# KiCad board klor1_4_LP_KS33.kicad_pcb
title: Klor LP KS33 Split Keyboard; date: 2024-08-27; rev: v1.4.0 LP KS33; note: Author: ElectronLab
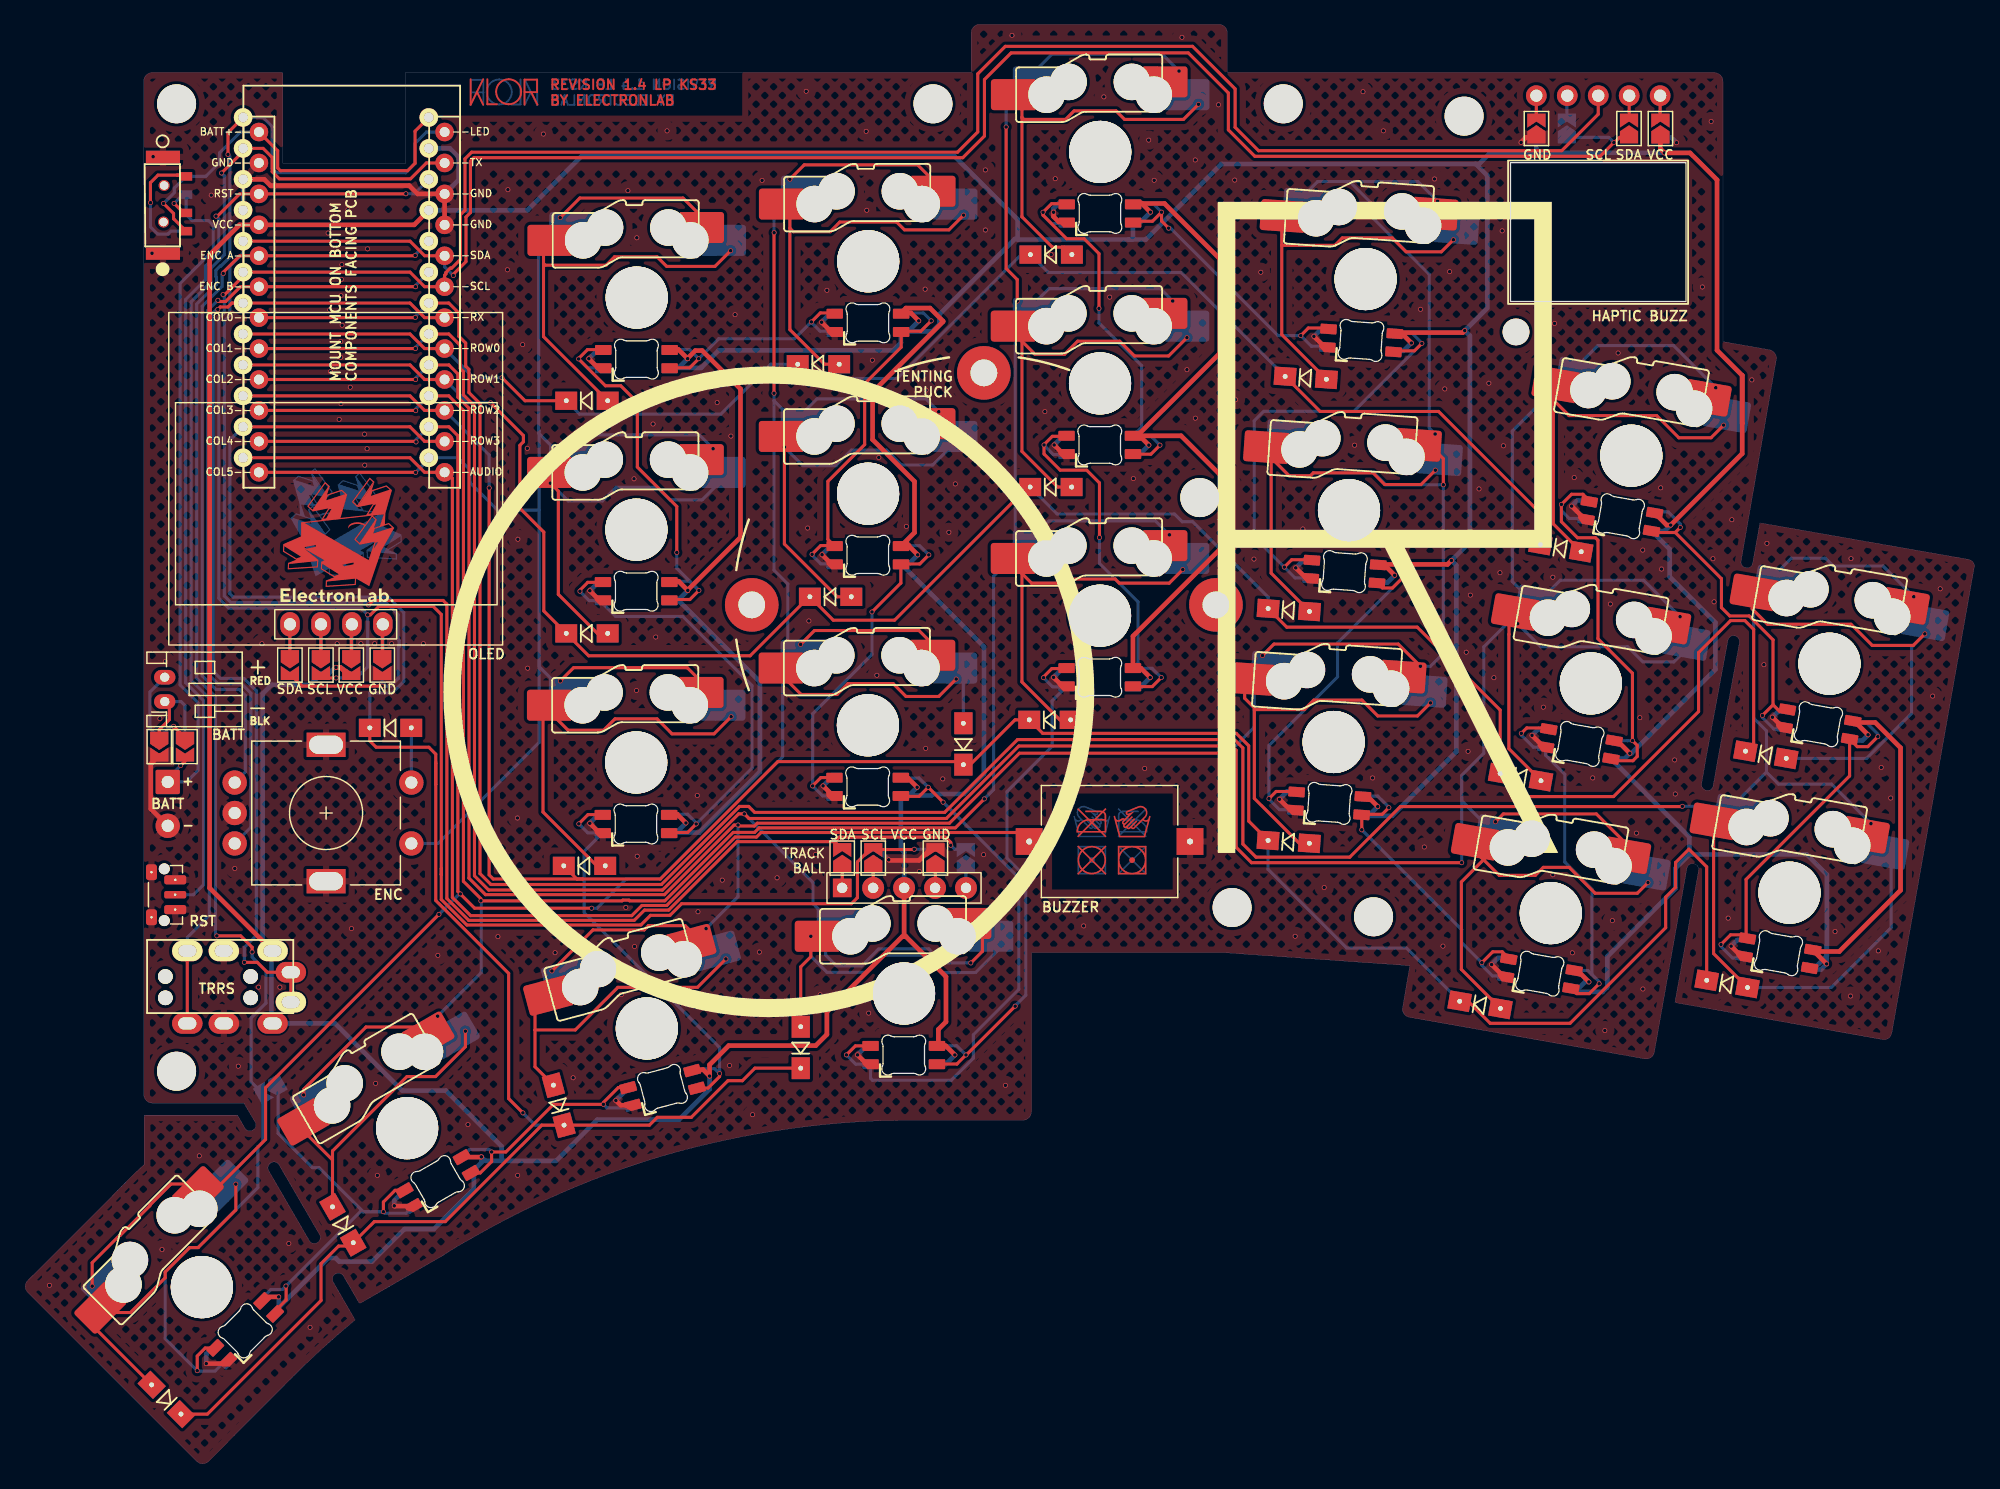
[diagram p0: board, top side]
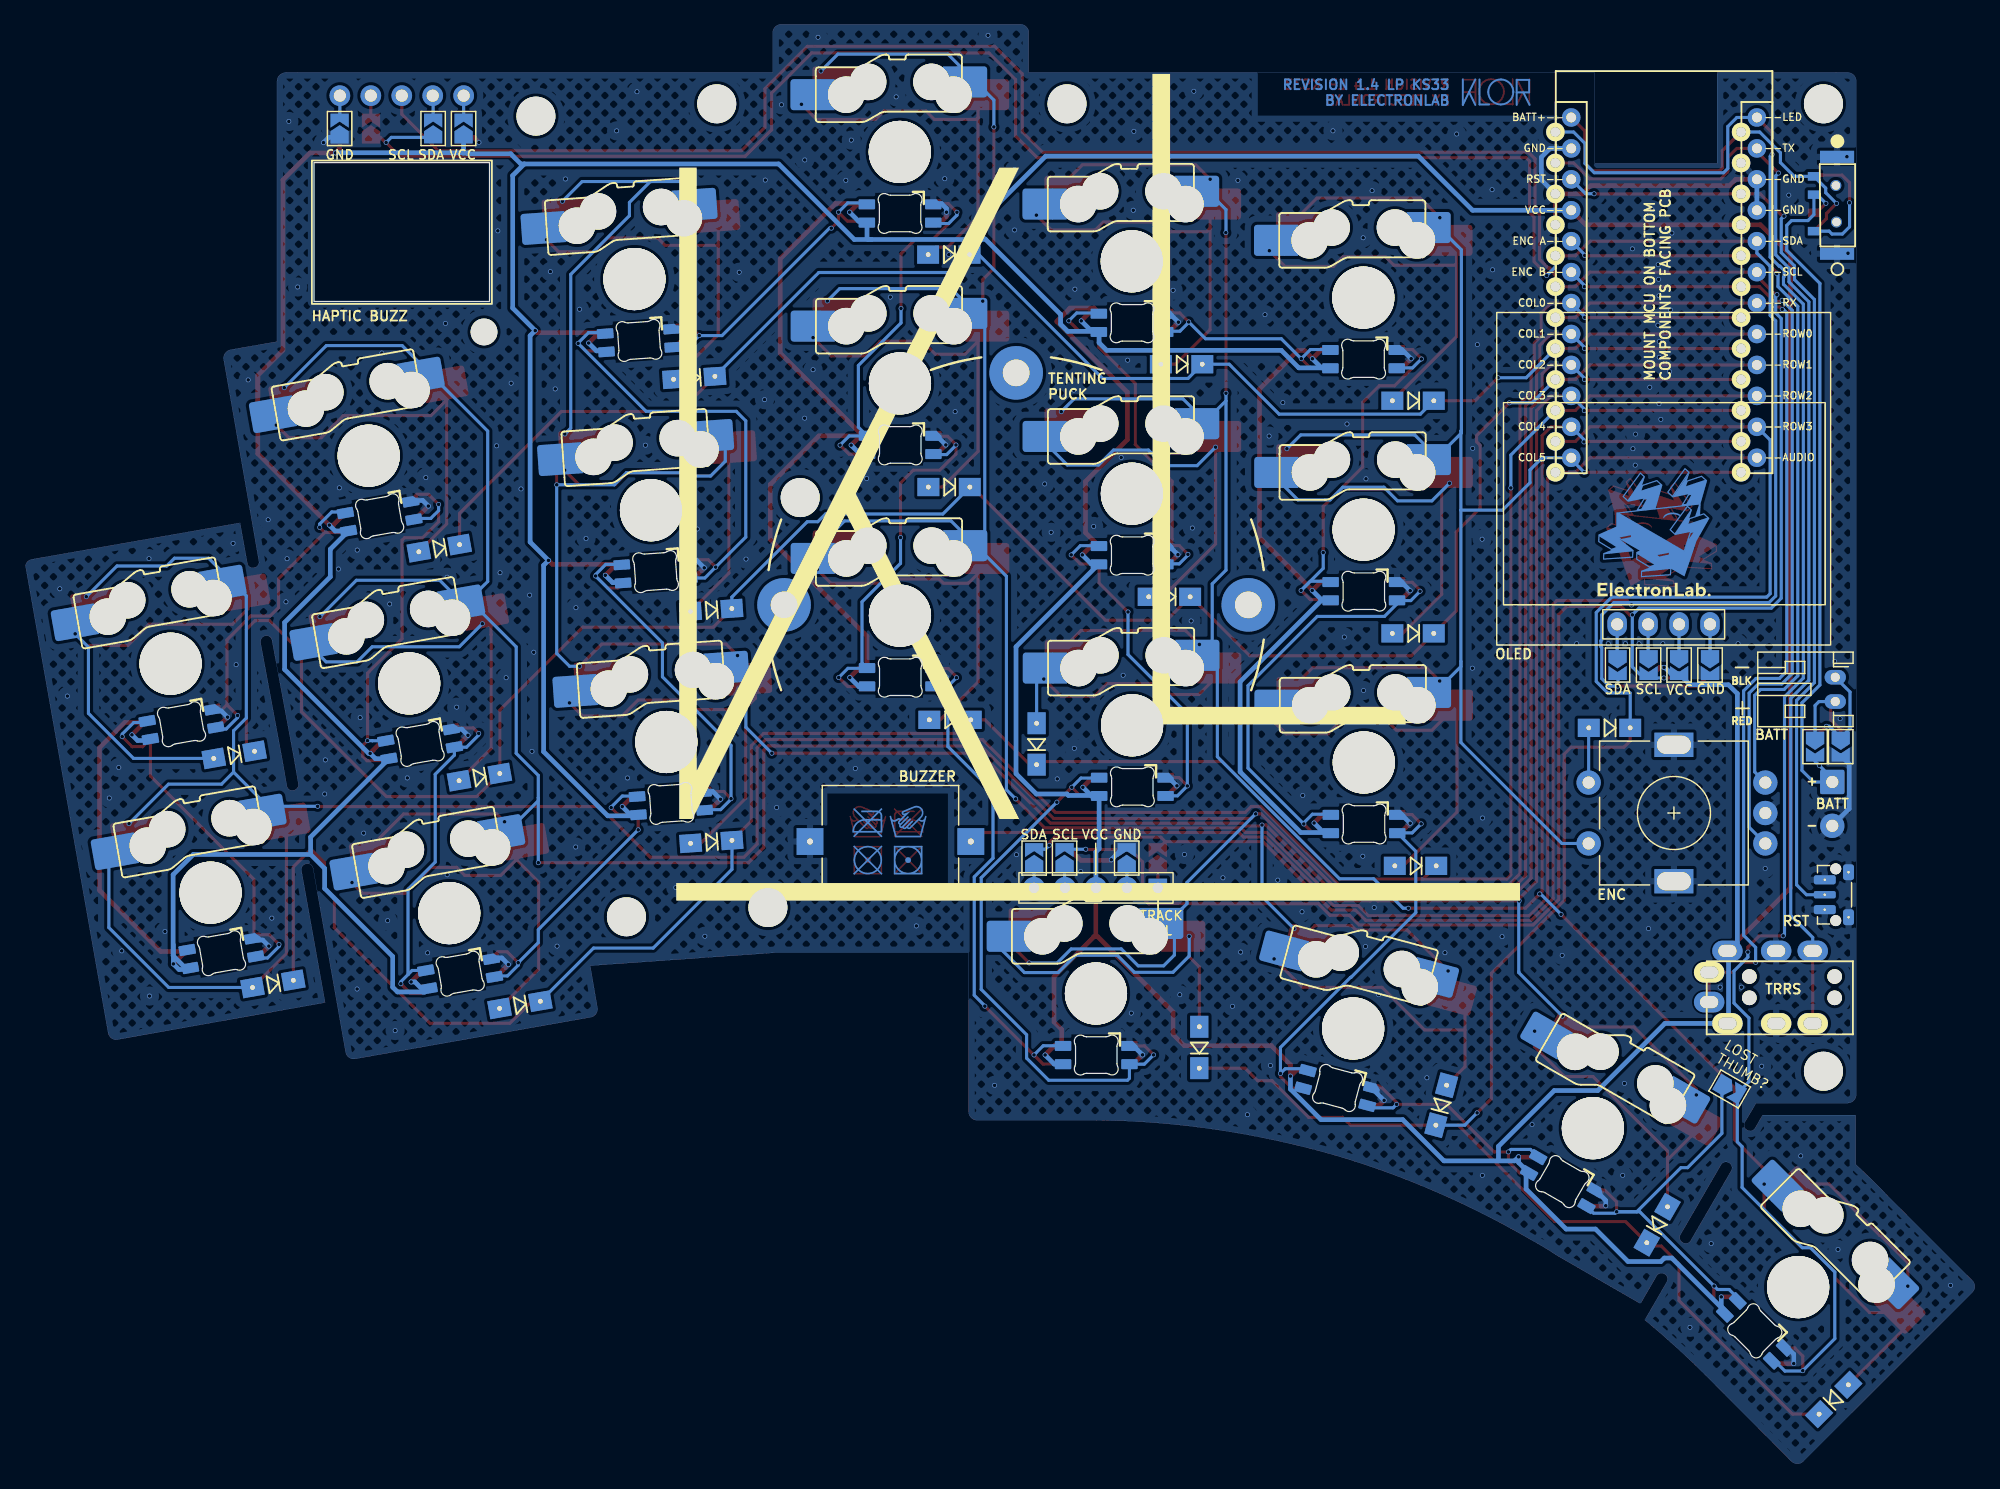
[diagram p1: board, bottom side, seen from below]

Outline 160.15 x 118.26 mm; copper layers: Top, Bottom. Coordinates in mm from the lower left corner of the outline.
Outline path: rectangle 121.97,106.9 136.37,95.5 ; 0.28,14.14 14.14,0.28 ; 7.16,22 0.28,15.13 ; 9.8,113.6 9.8,30.39 ; 9.84,24.65 9.84,28.7 17.49,28.7 18.09,27.64 ; 10.51,29.69 18.02,29.69 18.93,28.14 ; 10.54,114.31 21.22,114.31 21.22,106.83 31.27,106.83 31.27,114.31 77.71,114.31 77.71,117.59 ; 15.13,0.28 21.97,7.16 ; 20.91,24.61 24.22,18.9 ; 23.38,18.41 20.06,24.12 ; 27.15,11.88 25.35,14.98 ; 27.57,13.26 34.34,17.17 ; 72.14,28.28 81.94,28.28 ; 82.65,28.98 82.65,42.03 98.62,42.03 113.71,40.97 113.11,37.48 ; 98.05,118.26 78.38,118.26 ; 98.72,117.59 98.72,114.31 138.67,114.31 ; 113.64,36.74 133,33.32 ; 133.77,33.85 136.44,48.95 ; 152.49,34.91 135.46,37.94 137.41,48.77 ; 137.66,55.93 138.01,57.98 139.81,67.67 ; 138.61,55.75 138.96,57.8 140.76,67.49 ; 139.41,113.57 139.41,92.2 143.26,91.53 ; 140.9,74.21 143.19,87.34 143.78,90.76 ; 141.85,74.03 142.45,77.32 159.55,74.33 ; 153.27,35.47 160,73.55
Stack: Top 0.035mm / dielectric 1.51mm FR4 er 4.5 / Bottom 0.035mm

## Placement (name value [footprint] x y rotation side)
BT1  JST Connector  [JST_PH_reversible]  11.52 62.65 90 top
BT2  Battery_Cell  [custombatteryconnector_small]  11.77 54.25 270 top
BZ1  Buzzer  [Buzzer_Mallory_AST1109MLTRQ_reversible]  89.07 51.16 0 top
D1  D_Small  [Diode_SOD123]  46.17 87.35 0 top
D2  D_Small  [Diode_SOD123]  65.17 90.35 0 top
D3  D_Small  [Diode_SOD123]  84.27 99.35 0 top
D4  D_Small  [Diode_SOD123]  105.17 89.23 356 top
D5  D_Small  [Diode_SOD123]  126.1 75.25 350 top
D6  D_Small  [Diode_SOD123]  46.17 68.25 0 top
D7  D_Small  [Diode_SOD123]  66.17 71.26 0 top
D8  D_Small  [Diode_SOD123]  84.25 80.27 0 top
D9  D_Small  [Diode_SOD123]  103.78 70.17 356 top
D10  D_Small  [Diode_SOD123]  122.8 56.45 350 top
D11  D_Small  [Diode_SOD123]  142.93 58.28 350 top
D12  D_Small  [Diode_SOD123]  45.97 49.16 0 top
D13  D_Small  [Diode_SOD123]  77.07 59.17 90 top
D14  D_Small  [Diode_SOD123]  84.17 61.15 0 top
D15  D_Small  [Diode_SOD123]  103.77 51.13 356 top
D16  D_Small  [Diode_SOD123]  119.47 37.75 350 top
D17  D_Small  [Diode_SOD123]  139.75 39.47 350 top
D18  D_Small  [Diode_SOD123]  30.05 60.49 0 top
D19  D_Small  [Diode_SOD123]  11.65 5.35 135 top
D20  D_Small  [Diode_SOD123]  26.14 19.69 120 top
D21  D_Small  [Diode_SOD123]  43.86 29.51 105 top
D22  D_Small  [Diode_SOD123]  63.72 34.25 90 top
J1  -  [MJ-4PP-9]  10.07 40.08 90 top
J2  Haptic Buzz  [Pimoroni Haptic Buzz DRV2605L Driver]  129.17 102 0 bottom
J3  lv27  [lvc27_onlyInput]  67.12 47.35 90 top
JP1  Device_Jumper_NO_Small  [SolderJumper-2_P1.3mm_Open_TrianglePad1.0x1.5mm]  29.38 65.65 270 top
JP2  Device_Jumper_NO_Small  [SolderJumper-2_P1.3mm_Open_TrianglePad1.0x1.5mm]  26.83 65.65 270 top
JP3  Device_Jumper_NO_Small  [SolderJumper-2_P1.3mm_Open_TrianglePad1.0x1.5mm]  24.34 65.65 270 top
JP4  Device_Jumper_NO_Small  [SolderJumper-2_P1.3mm_Open_TrianglePad1.0x1.5mm]  21.79 65.65 270 top
JP5  Device_Jumper_NO_Small  [SolderJumper-2_P1.3mm_Open_TrianglePad1.0x1.5mm]  29.38 65.65 270 bottom
JP6  Device_Jumper_NO_Small  [SolderJumper-2_P1.3mm_Open_TrianglePad1.0x1.5mm]  26.84 65.65 270 bottom
JP7  Device_Jumper_NO_Small  [SolderJumper-2_P1.3mm_Open_TrianglePad1.0x1.5mm]  24.34 65.65 270 bottom
JP8  Device_Jumper_NO_Small  [SolderJumper-2_P1.3mm_Open_TrianglePad1.0x1.5mm]  21.8 65.65 270 bottom
JP12  VCC Jumper  [SolderJumper-2_P1.3mm_Open_TrianglePad1.0x1.5mm]  124.1 109.7 90 bottom
JP13  GND Jumper  [SolderJumper-2_P1.3mm_Open_TrianglePad1.0x1.5mm]  124.1 109.7 90 top
JP14  VCC Jumper  [SolderJumper-2_P1.3mm_Open_TrianglePad1.0x1.5mm]  134.27 109.7 90 top
JP15  GND Jumper  [SolderJumper-2_P1.3mm_Open_TrianglePad1.0x1.5mm]  134.27 109.7 90 bottom
JP16  Device_Jumper_NO_Small  [SolderJumper-2_P1.3mm_Open_TrianglePad1.0x1.5mm]  67.12 49.8 90 top
JP17  Device_Jumper_NO_Small  [SolderJumper-2_P1.3mm_Open_TrianglePad1.0x1.5mm]  69.67 49.8 90 top
JP18  Device_Jumper_NO_Small  [SolderJumper-2_P1.3mm_Open_TrianglePad1.0x1.5mm]  74.77 49.8 90 top
JP19  Device_Jumper_NO_Small  [SolderJumper-2_P1.3mm_Open_TrianglePad1.0x1.5mm]  69.67 49.8 90 bottom
JP20  Device_Jumper_NO_Small  [SolderJumper-2_P1.3mm_Open_TrianglePad1.0x1.5mm]  74.77 49.8 90 bottom
JP21  Device_Jumper_NO_Small  [SolderJumper-2_P1.3mm_Open_TrianglePad1.0x1.5mm]  77.27 49.8 90 bottom
JP22  Device_Jumper_NO_Small  [SolderJumper-2_P1.3mm_Open_TrianglePad1.0x1.5mm]  11.07 58.95 270 top
JP23  Device_Jumper_NO_Small  [SolderJumper-2_P1.3mm_Open_TrianglePad1.0x1.5mm]  13.18 58.95 270 bottom
JP24  Device_Jumper_NO_Small  [SolderJumper-2_P1.3mm_Open_TrianglePad1.0x1.5mm]  13.19 58.95 270 top
JP25  Device_Jumper_NO_Small  [SolderJumper-2_P1.3mm_Open_TrianglePad1.0x1.5mm]  11.07 58.95 270 bottom
JP26  Device_Jumper_NO_Small  [SolderJumper-2_P1.3mm_Open_TrianglePad1.0x1.5mm]  20.19 30.84 210 bottom
JP27  Device_Jumper_NO_Small  [SolderJumper-2_P1.3mm_Open_TrianglePad1.0x1.5mm]  126.6 109.7 90 bottom
JP28  Device_Jumper_NO_Small  [SolderJumper-2_P1.3mm_Open_TrianglePad1.0x1.5mm]  131.7 109.7 90 top
MH1  -  [MountingHole_3.2mm_M3]  12.49 111.73 0 top
MH2  -  [MountingHole_3.2mm_M3]  74.57 111.73 0 top
MH3  -  [MountingHole_3.2mm_M3]  103.32 111.73 0 top
MH4  -  [MountingHole_3.2mm_M3]  118.16 110.72 0 top
MH5  -  [MountingHole_3.2mm_M3]  96.47 79.4 0 top
MH6  -  [MountingHole_3.2mm_M3]  12.49 32.3 0 top
MH7  -  [MountingHole_3.2mm_M3]  99.12 45.74 0 top
MH8  -  [MountingHole_3.2mm_M3]  110.73 44.98 0 top
MH9  -  [MountingHole_2.2mm_M2]  122.42 93 0 top
OLED1  SSD1306  [SSD1306_128x64OLED]  25.8 79.6 180 top
PSW1  SW_DPDT_x2  [MSK12C02_reversible]  10.07 107.28 0 top
REF**  Tenting Puck  [SplitkbTentingPuckWithoutCenterHole]  78.75 70.59 270 top
RSW1  SW_Push  [SW_Push_1P1T-MP_NO_Horizontal_Alps_SKRTLAE010_both_sides]  11.48 46.79 270 top
SW1  SW_PUSH-MX_W_LED  [KS33_Symetrical]  50.26 95.82 0 top
SW2  SW_PUSH-MX_W_LED  [KS33_Symetrical]  69.26 98.8 0 top
SW3  SW_PUSH-MX_W_LED  [KS33_Symetrical]  88.3 107.78 0 top
SW4  SW_PUSH-MX_W_LED  [KS33_Symetrical]  110.08 97.34 356 top
SW5  SW_PUSH-MX_W_LED  [KS33_Symetrical]  131.89 82.84 350 top
SW6  SW_PUSH-MX_W_LED  [KS33_Symetrical]  50.23 76.77 0 top
SW7  SW_PUSH-MX_W_LED  [KS33_Symetrical]  69.25 79.72 0 top
SW8  SW_PUSH-MX_W_LED  [KS33_Symetrical]  88.28 88.78 0 top
SW9  SW_PUSH-MX_W_LED  [KS33_Symetrical]  108.72 78.36 356 top
SW10  SW_PUSH-MX_W_LED  [KS33_Symetrical]  128.56 64.15 350 top
SW11  SW_PUSH-MX_W_LED  [KS33_Symetrical]  148.15 65.76 350 top
SW12  SW_PUSH-MX_W_LED  [KS33_Symetrical]  50.22 57.65 0 top
SW13  SW_PUSH-MX_W_LED  [KS33_Symetrical]  69.23 60.71 0 top
SW14  SW_PUSH-MX_W_LED  [KS33_Symetrical]  88.28 69.71 0 top
SW15  SW_PUSH-MX_W_LED  [KS33_Symetrical]  107.46 59.33 356 top
SW16  SW_PUSH-MX_W_LED  [KS33_Symetrical]  125.28 45.28 350 top
SW17  SW_PUSH-MX_W_LED  [KS33_Symetrical]  144.87 46.96 350 top
SW18  RotaryEncoder_Switch  [RotaryEncoder_Alps_EC11E-Switch_Vertical_H20mm-keebio_modified]  24.76 53.5 0 top
SW19  SW_PUSH-MX_W_LED  [KS33_Symetrical]  14.57 14.57 45 top
SW20  SW_PUSH-MX_W_LED  [KS33_Symetrical]  31.41 27.63 30 top
SW21  SW_PUSH-MX_W_LED  [KS33_Symetrical]  51.09 35.81 15 top
SW22  SW_PUSH-MX_W_LED  [KS33_Symetrical]  72.2 38.68 0 top
U1  -  [ProMicro]  26.77 95.84 0 top

## Library data of the parts
BZ1 = -: ki_fp_filters: *Buzzer*
D1-D22 = -: ki_fp_filters: TO-???* *_Diode_* *SingleDiode* D_*
J2 J3 = -: ki_fp_filters: Connector*:*_1x??_*
JP1-JP8 JP16-JP28 = -: ki_fp_filters: SolderJumper*Open*
JP12-JP15 = -: ki_fp_filters: Jumper* TestPoint*2Pads* TestPoint*Bridge*
MH1-MH9 = -: ki_fp_filters: MountingHole*
OLED1 = -: ki_fp_filters: SSD1306-128x64_OLED:SSD1306
PSW1 = -: ki_fp_filters: SW*DPDT*
REF** = -: Field4: tenting; Field5: puck
SW1 SW3-SW17 SW19-SW22 = -: Field4: SW_PUSH
SW2 = -: Datasheet: (layer "F.Cu"); Field4: SW_PUSH
SW18 = -: ki_fp_filters: RotaryEncoder*Switch*

## Footprints (pads in the part's own frame, mm; a bottom-side part is the same pattern mirrored in y, then rotated)
Buzzer_Mallory_AST1109MLTRQ_reversible
  rect 2.2x2.2 hole 0.5: 1(-6.6,0) 2(6.6,0)
custombatteryconnector_small
  rrect 2x2 hole 1: 1(-1.8,0)
  round 2 hole 1: 2(1.8,0)
Diode_SOD123
  rect 1.8x1.5 hole 0.4: 1(-1.7,0) 2(1.7,0)
JST_PH_reversible
  oval 1.2x1.75 hole 0.75: 1(0,0) 2(2,0)
KS33_Symetrical
  round 3 hole 3 unplated: (-4.4,4.7) (-2.6,5.75) (2.6,5.75) (4.4,4.7)
  round 5.1 hole 5.1 unplated: (0,0) (0,0)
  rrect 1.35x0.82 smd far side: 1(2.703,-4.303) 2(-2.747,-4.303) 3(-2.747,-5.803) 4(2.703,-5.803)
  rrect 1.35x0.82 smd: 1(2.703,-5.803) 2(-2.747,-5.803) 3(-2.747,-4.303) 4(2.703,-4.303)
  rrect 2.65x2.55 smd far side: 5(-5.845,5.75) 6(7.645,4.7)
  rect 1.2x2.55 smd far side: 5(-4.15,5.75) 6(5.95,4.7)
  rect 1.2x2.55 smd: 5(4.15,5.75) 6(-5.95,4.7)
  rrect 2.65x2.55 smd: 5(5.845,5.75) 6(-7.645,4.7)
lvc27_onlyInput
  rect 1.524x1.524 hole 0.85: 1(0,0)
  round 1.8 hole 0.85: 2(0,-2.54) 3(0,-5.08) 4(0,-7.62) 5(0,-10.16)
MJ-4PP-9
  round 1.2 hole 1.2 unplated: (-1.75,-1.5) (-1.75,-8.5) (0,-1.5) (0,-8.5)
  oval 1.7x2.5 hole 1x1.5: 1(-3.85,-10.3) 1(2.1,-10.3) 2(-3.85,-6.3) 2(2.1,-6.3) 3(-2.1,-11.8) 3(0.35,-11.8) 4(-3.85,-3.3) 4(2.1,-3.3)
MountingHole_2.2mm_M2
  round 2.2 hole 2.2 unplated: (0,0)
MountingHole_3.2mm_M3
  round 3.2 hole 3.2 unplated: (0,0)
MSK12C02_reversible
  round 0.9 hole 0.7 unplated: (1.35,-5.25) (1.4,-2.25)
  rect 1x0.7 smd: 1(3.2,-1.5) 2(3.2,-4.5) 3(3.2,-6)
  rect 1x0.7 smd far side: 1(3.2,-6) 2(3.2,-3) 3(3.2,-1.5)
  rect 2.8x1 smd: NC(1.3,0.1) NC(1.3,-7.85)
  rect 2.8x1 smd far side: NC(1.3,0.1) NC(1.3,-7.85)
Pimoroni Haptic Buzz DRV2605L Driver
  round 1.7 hole 1: 1(-5.08,-10.4)
  oval 1.7x1.7 hole 1: 2(-2.54,-10.4) 3(0,-10.4) 4(2.54,-10.4) 5(5.08,-10.4)
ProMicro
  round 1.524 hole 0.813: 1(-8.82,14.77) 1(7.719,13.574) 2(-8.82,12.23) 2(7.719,11.034) 3(-8.82,9.69) 3(7.719,8.494) 4(-8.82,7.15) 4(7.719,5.954) 5(-8.82,4.61) 5(7.719,3.414) 6(-8.82,2.07) 6(7.719,0.874) 7(-8.82,-0.47) 7(7.719,-1.666) 8(-8.82,-3.01) 8(7.719,-4.206) 9(-8.82,-5.55) 9(7.719,-6.746) 10(-8.82,-8.09) 10(7.719,-9.286) 11(-8.82,-10.63) 11(7.719,-11.826) 12(-8.82,-13.17) 12(7.719,-14.366) 13(-7.521,-14.366) 13(6.42,-13.17) 14(-7.521,-11.826) 14(6.42,-10.63) 15(-7.521,-9.286) 15(6.42,-8.09) 16(-7.521,-6.746) 16(6.42,-5.55) 17(-7.521,-4.206) 17(6.42,-3.01) 18(-7.521,-1.666) 18(6.42,-0.47) 19(-7.521,0.874) 19(6.42,2.07) 20(-7.521,3.414) 20(6.42,4.61) 21(-7.521,5.954) 21(6.42,7.15) 22(-7.521,8.494) 22(6.42,9.69) 23(-7.521,11.034) 23(6.42,12.23) 24(-7.521,13.574) 24(6.42,14.77)
RotaryEncoder_Alps_EC11E-Switch_Vertical_H20mm-keebio_modified
  round 2 hole 1: A(-7.5,2.5) B(-7.5,-2.5) C(-7.5,0) S1(7,-2.5) S2(7,2.5)
  rect 3.2x2 hole 2.8x1.5: MP(0,5.6) MP(0,-5.6)
SolderJumper-2_P1.3mm_Open_TrianglePad1.0x1.5mm
  custom 1.5x1.5 smd: 1(-0.725,0)
  custom 1.15x1.5 smd: 2(0.725,0)
SplitkbTentingPuckWithoutCenterHole
  round 4.4 hole 2.2: 1(-19.05,0) 1(0,19.05) 1(0,-19.05)
SSD1306_128x64OLED
  oval 1.6x2 hole 1: 1(-3.62,10.6) 2(-1.08,10.6) 3(1.46,10.6) 4(4,10.6)
SW_Push_1P1T-MP_NO_Horizontal_Alps_SKRTLAE010_both_sides
  round 0.9 hole 0.9 unplated: (-2.125,0) (2.125,0)
  rrect 0.75x1.8 hole 0.2: 1(-1.225,0.9) 1(1.225,0.9)
  rrect 0.6x1.8 hole 0.2: 2(0,0.9)
  rrect 1.3x0.9 hole 0.2: MP(-1.85,-1.05) MP(1.85,-1.05)

## Nets
GND: BT2.2 BZ1.2 J1.2 JP1.2 JP8.2 JP13.1 JP15.1 JP18.2 JP19.2 JP22.2 JP25.2 PSW1.NC RSW1.1 RSW1.MP SW1.2 SW2.2 SW3.2 SW4.2 SW5.2 SW6.2 SW7.2 SW8.2 SW9.2 SW10.2 SW11.2 SW12.2 SW13.2 SW14.2 SW15.2 SW16.2 SW17.2 SW18.C SW18.MP SW19.2 SW20.2 SW21.2 SW22.2 U1.3 U1.4 U1.23
VCC: J1.1 J3.3 JP2.2 JP7.2 JP12.1 JP14.1 SW1.4 SW2.4 SW3.4 SW4.4 SW5.4 SW6.4 SW7.4 SW8.4 SW9.4 SW10.4 SW11.4 SW12.4 SW13.4 SW14.4 SW15.4 SW16.4 SW17.4 SW19.4 SW20.4 SW21.4 SW22.4 U1.21
+BATT: PSW1.3 U1.24
/PAD1: BT1.1 JP22.1 JP23.1
/PAD2: BT1.2 JP24.1 JP25.1
/PSW: BT2.1 JP23.2 JP24.2 PSW1.2
AUDIO: BZ1.1 U1.12
col0: SW11.5 SW17.5 U1.18
col1: SW5.5 SW10.5 SW16.5 SW22.5 U1.17
col2: SW4.5 SW9.5 SW15.5 SW21.5 U1.16
col3: SW3.5 SW8.5 SW14.5 SW20.5 U1.15
col4: SW2.5 SW7.5 SW13.5 SW19.5 U1.14
col5: SW1.5 SW6.5 SW12.5 SW18.S1 U1.13
ENCA: SW18.A U1.20
ENCB: SW18.B U1.19
LED: JP26.2 SW19.3 U1.1
RESET: RSW1.2 U1.22
row0: D1.1 D2.1 D3.1 D4.1 D5.1 U1.8
row1: D6.1 D7.1 D8.1 D9.1 D10.1 D11.1 U1.9
row2: D12.1 D13.1 D14.1 D15.1 D16.1 D17.1 U1.10
row3: D18.1 D19.1 D20.1 D21.1 D22.1 U1.11
RX: J1.3 U1.7
SCL: J2.3 JP3.2 JP6.2 JP17.2 JP20.2 U1.6
SDA: JP4.2 JP5.2 JP16.2 JP21.2 JP27.1 JP28.1 U1.5
SW18B: D18.2 SW18.S2
TX: J1.4 U1.2
Net-(D1-A): D1.2 SW1.6
Net-(D2-A): D2.2 SW2.6
Net-(D3-A): D3.2 SW3.6
Net-(D4-A): D4.2 SW4.6
Net-(D5-A): D5.2 SW5.6
Net-(D6-A): D6.2 SW6.6
Net-(D7-A): D7.2 SW7.6
Net-(D8-A): D8.2 SW8.6
Net-(D9-A): D9.2 SW9.6
Net-(D10-A): D10.2 SW10.6
Net-(D11-A): D11.2 SW11.6
Net-(D12-A): D12.2 SW12.6
Net-(D13-A): D13.2 SW13.6
Net-(D14-A): D14.2 SW14.6
Net-(D15-A): D15.2 SW15.6
Net-(D16-A): D16.2 SW16.6
Net-(D17-A): D17.2 SW17.6
Net-(D19-A): D19.2 SW19.6
Net-(D20-A): D20.2 SW20.6
Net-(D21-A): D21.2 SW21.6
Net-(D22-A): D22.2 SW22.6
Net-(J2-Pin_1): J2.1 JP12.2 JP13.2
Net-(J2-Pin_2): J2.2 JP27.2
Net-(J2-Pin_4): J2.4 JP28.2
Net-(J2-Pin_5): J2.5 JP14.2 JP15.2
Net-(J3-Pin_1): J3.1 JP16.1
Net-(J3-Pin_2): J3.2 JP17.1 JP19.1
Net-(J3-Pin_4): J3.4 JP18.1 JP20.1
Net-(J3-Pin_5): J3.5 JP21.1
Net-(OLED1-GND): JP1.1 JP5.1 OLED1.1
Net-(OLED1-SCL): JP3.1 JP7.1 OLED1.3
Net-(OLED1-SDA): JP4.1 JP8.1 OLED1.4
Net-(OLED1-VCC): JP2.1 JP6.1 OLED1.2
Net-(SW1B-DIN): SW1.3 SW6.1
Net-(SW1B-DOUT): SW1.1 SW2.3
Net-(SW2B-DOUT): SW2.1 SW7.3
Net-(SW3B-DIN): SW3.3 SW8.1
Net-(SW3B-DOUT): SW3.1 SW4.3
Net-(SW4B-DOUT): SW4.1 SW9.3
Net-(SW10B-DIN): SW10.3 SW16.1
Net-(SW10B-DOUT): SW5.3 SW10.1
Net-(SW11B-DIN): SW5.1 SW11.3
Net-(SW11B-DOUT): SW11.1 SW17.3
Net-(SW12B-DIN): SW12.3 SW21.1
Net-(SW12B-DOUT): SW6.3 SW12.1
Net-(SW13B-DIN): SW7.1 SW13.3
Net-(SW13B-DOUT): SW13.1 SW22.3
Net-(SW14B-DIN): SW14.3 SW22.1
Net-(SW14B-DOUT): SW8.3 SW14.1
Net-(SW15B-DIN): SW9.1 SW15.3
Net-(SW15B-DOUT): SW15.1 SW16.3
Net-(SW19B-DOUT): JP26.1 SW19.1 SW20.3
Net-(SW20B-DOUT): SW20.1 SW21.3

Pads without a net: PSW1 1; REF** 1; SW17 1

## Via types
v1: diameter 0.4, hole 0.3, Top to Bottom, 375 vias

## Routing (per net, layer and track width the routed paths; a pad name or vN(x,y) marks a point on that pad's centre or on a via; arc(x,y) is an arc through that point)
GND: length 113.4
  Top w0.254: 124.09,109.83 124.1,109.83
  Top w0.381: 106.91,91.83 106.65,91.83 v1(105.84,92.64) ; 85.54,102.04 84.9,102.04 84.47,102.47 v1(84.47,102.83) ; U1.3 19.68,105.53 20.2,105.02 31.59,105.02 32.27,104.34 U1.3 U1.4 ; v1(120.42,41.06) 121.35,40.13 121.54,40.13 ; 66.54,54.92 66.36,54.92 v1(65.55,55.73) ; 85.56,82.94 85.3,82.94 v1(84.52,83.72) ; 49.95,29.51 48.94,29.51 v1(48.55,29.9) ; 105.58,72.8 105.18,72.8 v1(104.35,73.63) ; v1(126.99,78.7) 128,77.69 128.16,77.69 127.99,77.69 ; 47.46,51.88 47.19,51.88 v1(46.41,52.66) ; v1(65.43,93.8) 66.16,93.07 66.51,93.07 ; 16.49,8.51 16.26,8.29 v1(14.93,8.29) ; v1(123.74,59.88) 124.71,58.91 SW10.2 ; 85.6,63.87 85.24,63.87 v1(84.47,64.64) ; v1(70.94,49.66) 70.99,49.61 73.43,49.61 74.35,50.53 74.77,50.53 ; v1(143.47,61.37) 144.44,60.4 144.56,60.4 ; v1(65.47,74.71) 66.21,73.97 66.56,73.97 ; JP13.1 123.25,108.98 v1(122.84,108.56) ; v1(46.41,71.75) 47.21,70.95 47.52,70.95 ; BT2.2 10.38,53.84 10.38,57.53 JP22.2 ; 104.25,53.78 103.86,53.78 v1(103.01,54.63) ; SW20.2 30.38,21.23 v1(30.36,21.25) ; 141.23,41.6 141.05,41.6 v1(140.08,42.57) ; SW22.2 69.14,32.88 v1(68.38,33.64) ; v1(46.33,90.8) 47.07,90.06 47.49,90.06
  Bottom w0.381: 85.54,103.54 84.87,103.54 84.47,103.13 v1(84.47,102.83) ; 66.54,56.42 66.24,56.42 v1(65.55,55.73) ; v1(126.99,78.7) 127.45,79.17 128.42,79.17 ; SW10.2 124.24,60.39 v1(123.74,59.88) ; SW20.2 30.36,21.69 v1(30.36,21.25) ; v1(140.08,42.57) 140.58,43.08 141.49,43.08 ; 144.82,61.88 143.97,61.88 v1(143.47,61.37) ; 15.42,9.57 14.93,9.08 v1(14.93,8.29) ; 47.49,91.56 47.08,91.56 v1(46.33,90.8) ; 47.52,72.45 47.1,72.45 v1(46.41,71.75) ; 107.01,93.33 106.52,93.33 v1(105.84,92.64) ; 11.67,52.45 11.67,52.57 10.38,53.86 10.38,57.53 JP22.2 ; v1(103.01,54.63) 103.65,55.27 104.35,55.27 ; v1(84.52,83.72) 85.23,84.44 85.56,84.44 ; JP15.1 135.16,108.98 v1(135.6,108.54) ; U1.4 U1.3 ; U1.23 34.92,108.07 35.64,107.35 35.64,105.49 U1.3 ; 105.68,74.3 105.01,74.3 v1(104.35,73.63) ; v1(120.42,41.06) 120.96,41.6 121.8,41.6 ; 66.51,94.57 66.19,94.57 v1(65.43,93.8) ; v1(84.47,64.64) 85.19,65.37 85.6,65.37 ; v1(65.47,74.71) 66.22,75.47 66.56,75.47 ; SW22.2 69.11,34.38 v1(68.38,33.64) 68.38,33.66 ; 70.3,50.3 70.07,50.53 ; 70.07,50.53 v1(70.94,49.66) ; 70.07,50.53 69.67,50.53 ; v1(48.55,29.9) 49.56,30.91 49.56,30.96 ; 47.46,53.38 47.12,53.38 v1(46.41,52.66)
  vias: v1(2.06,14.72) v1(10.48,99.46) v1(10.57,107.39) v1(11.12,61.25) v1(11.3,17.66) v1(11.57,65.95) v1(14.36,25.35) v1(15.34,104.23) v1(17.27,48.95) v1(17.56,32.71) v1(19.22,39.2) v1(19.5,67.4) v1(20.97,39.2) v1(21.71,18.15) v1(23.45,11.27) v1(24.93,101.12) v1(25.06,94.81) v1(25.13,89.74) v1(25.67,67.4) v1(25.84,85.82) v1(26.02,97.32) v1(25.99,95.98) v1(25.97,92.21) v1(25.97,90.92) v1(25.99,87.11) v1(26.06,98.53) v1(26.08,93.55) v1(26.56,103.04) v1(26.75,88.46) v1(26.85,44.01) v1(27.62,67.4) v1(27.92,84.61) v1(27.94,82.06) v1(28.17,99.82) v1(28.13,83.41) v1(28.75,67.4) v1(28.83,31.3) v1(28.97,23.75) v1(30.15,67.4) v1(32.75,67.4) v1(33.94,41.81) v1(36.41,27.92) v1(38.87,43.35) v1(39.69,104.68) v1(39.65,98.1) v1(40.51,75.98) v1(40.47,53.09) v1(40.49,23.75) v1(40.9,91.96) v1(41.28,83.44) v1(41.31,65.39) v1(42.6,109.25) v1(43.56,42.03) v1(45.04,31.76) v1(49,38.58) v1(49.37,45.74) v1(49.54,104.6) v1(50.04,80.94) v1(50.08,42.54) v1(50.27,100.73) v1(50.24,63.56) v1(50.3,49.95) v1(51.6,85.44) v1(51.82,67.95) v1(52.75,109.51) v1(55.23,54.94) v1(55.29,45.39) v1(56.86,87.2) v1(57.28,47.99) v1(57.88,32.77) v1(57.99,84.45) v1(58.33,94.42) v1(59.77,28.73) v1(60.33,42.08) v1(60.55,105.44) v1(61,37.63) v1(61.78,48.18) v1(64.17,112.76) v1(64.29,76.9) v1(64.39,69.27) v1(64.94,50.1) v1(65.32,38.58) v1(65.87,96.42) v1(69.09,109.47) v1(69.14,102.99) v1(69.3,37.07) v1(69.6,90.68) v1(69.97,64.81) v1(70.13,82.69) v1(72.39,77.03) v1(73.45,48.7) v1(73.93,96.51) v1(74.01,88.22) v1(73.98,58.81) v1(75.38,56.3) v1(75.88,76.55) v1(76.41,80.52) v1(78.73,50.08) v1(78.88,106.3) v1(78.88,101.37) v1(80.52,31.14) v1(81.06,117.35) v1(83.76,86.46) v1(84.27,99.35) v1(84.61,105.58) v1(86.94,44.23) v1(88.6,112.3) v1(89.08,95.86) v1(91.02,80.96) v1(91.95,57.16) v1(92.28,108.75) v1(92.73,105.45) v1(95.01,117.19) v1(95.42,89.9) v1(96.1,107.12) v1(96.11,85.92) v1(98.01,111.65) v1(98.41,53.95) v1(99.34,105.47) v1(99.4,87.44) v1(100.92,74.35) v1(101.48,97.9) v1(104.3,43.38) v1(104.93,76.82) v1(106.68,47.38) v1(109.18,83.7) v1(109.87,112.72) v1(110.65,56.38) v1(111.54,109.51) v1(114.05,76.04) v1(114.59,94.86) v1(114.88,70.36) v1(114.9,50.71) v1(115.74,105.56) v1(116.43,42.57) v1(116.58,88.32) v1(116.98,97.95) v1(118.34,66.7) v1(118.49,58.56) v1(118.68,71.39) v1(119.39,80.11) v1(120.2,88.79) v1(120.61,64.61) v1(121.11,73.23) v1(121.29,101.3) v1(121.39,83.65) v1(124.67,62.19) v1(125.45,72.86) v1(125.45,48.43) v1(125.59,93.7) v1(127.05,42.02) v1(127.2,81.04) v1(128.72,56.38) v1(129.72,35.64) v1(130.17,70.66) v1(130.33,44.66) v1(130.81,91.27) v1(132.31,51.85) v1(132.59,61.33) v1(132.83,75.09) v1(132.84,39.05) v1(134.3,80.2) v1(134.37,73.53) v1(135.44,57.86) v1(135.5,55.06) v1(137.72,96.69) v1(138.44,110.28) v1(138.59,74.38) v1(138.68,70.84) v1(139.84,44.87) v1(140.14,77.58) v1(141.78,89.06) v1(142.77,65.68) v1(143.02,75.64) v1(148.61,43.77) v1(149.92,74.39) v1(149.88,38.47) v1(152.16,42.18) v1(152.4,57.24) v1(153.18,54.73) v1(156.62,63.1) v1(157.24,71.91)